# Altium PCB host_board.PcbDoc (part 7 of 7)
Units mm, origin at the board's own origin, x right, y up, seen from the top; angles counter-clockwise.
Board outline 87.1 x 62.94 mm, 4 copper layers (Top Layer, GND, Power, Bottom Layer), stack 1.59 mm thick; 217 components, 247 nets, 1076 pads, 563 vias.
Unrouted connection lines stored in the file: 56.
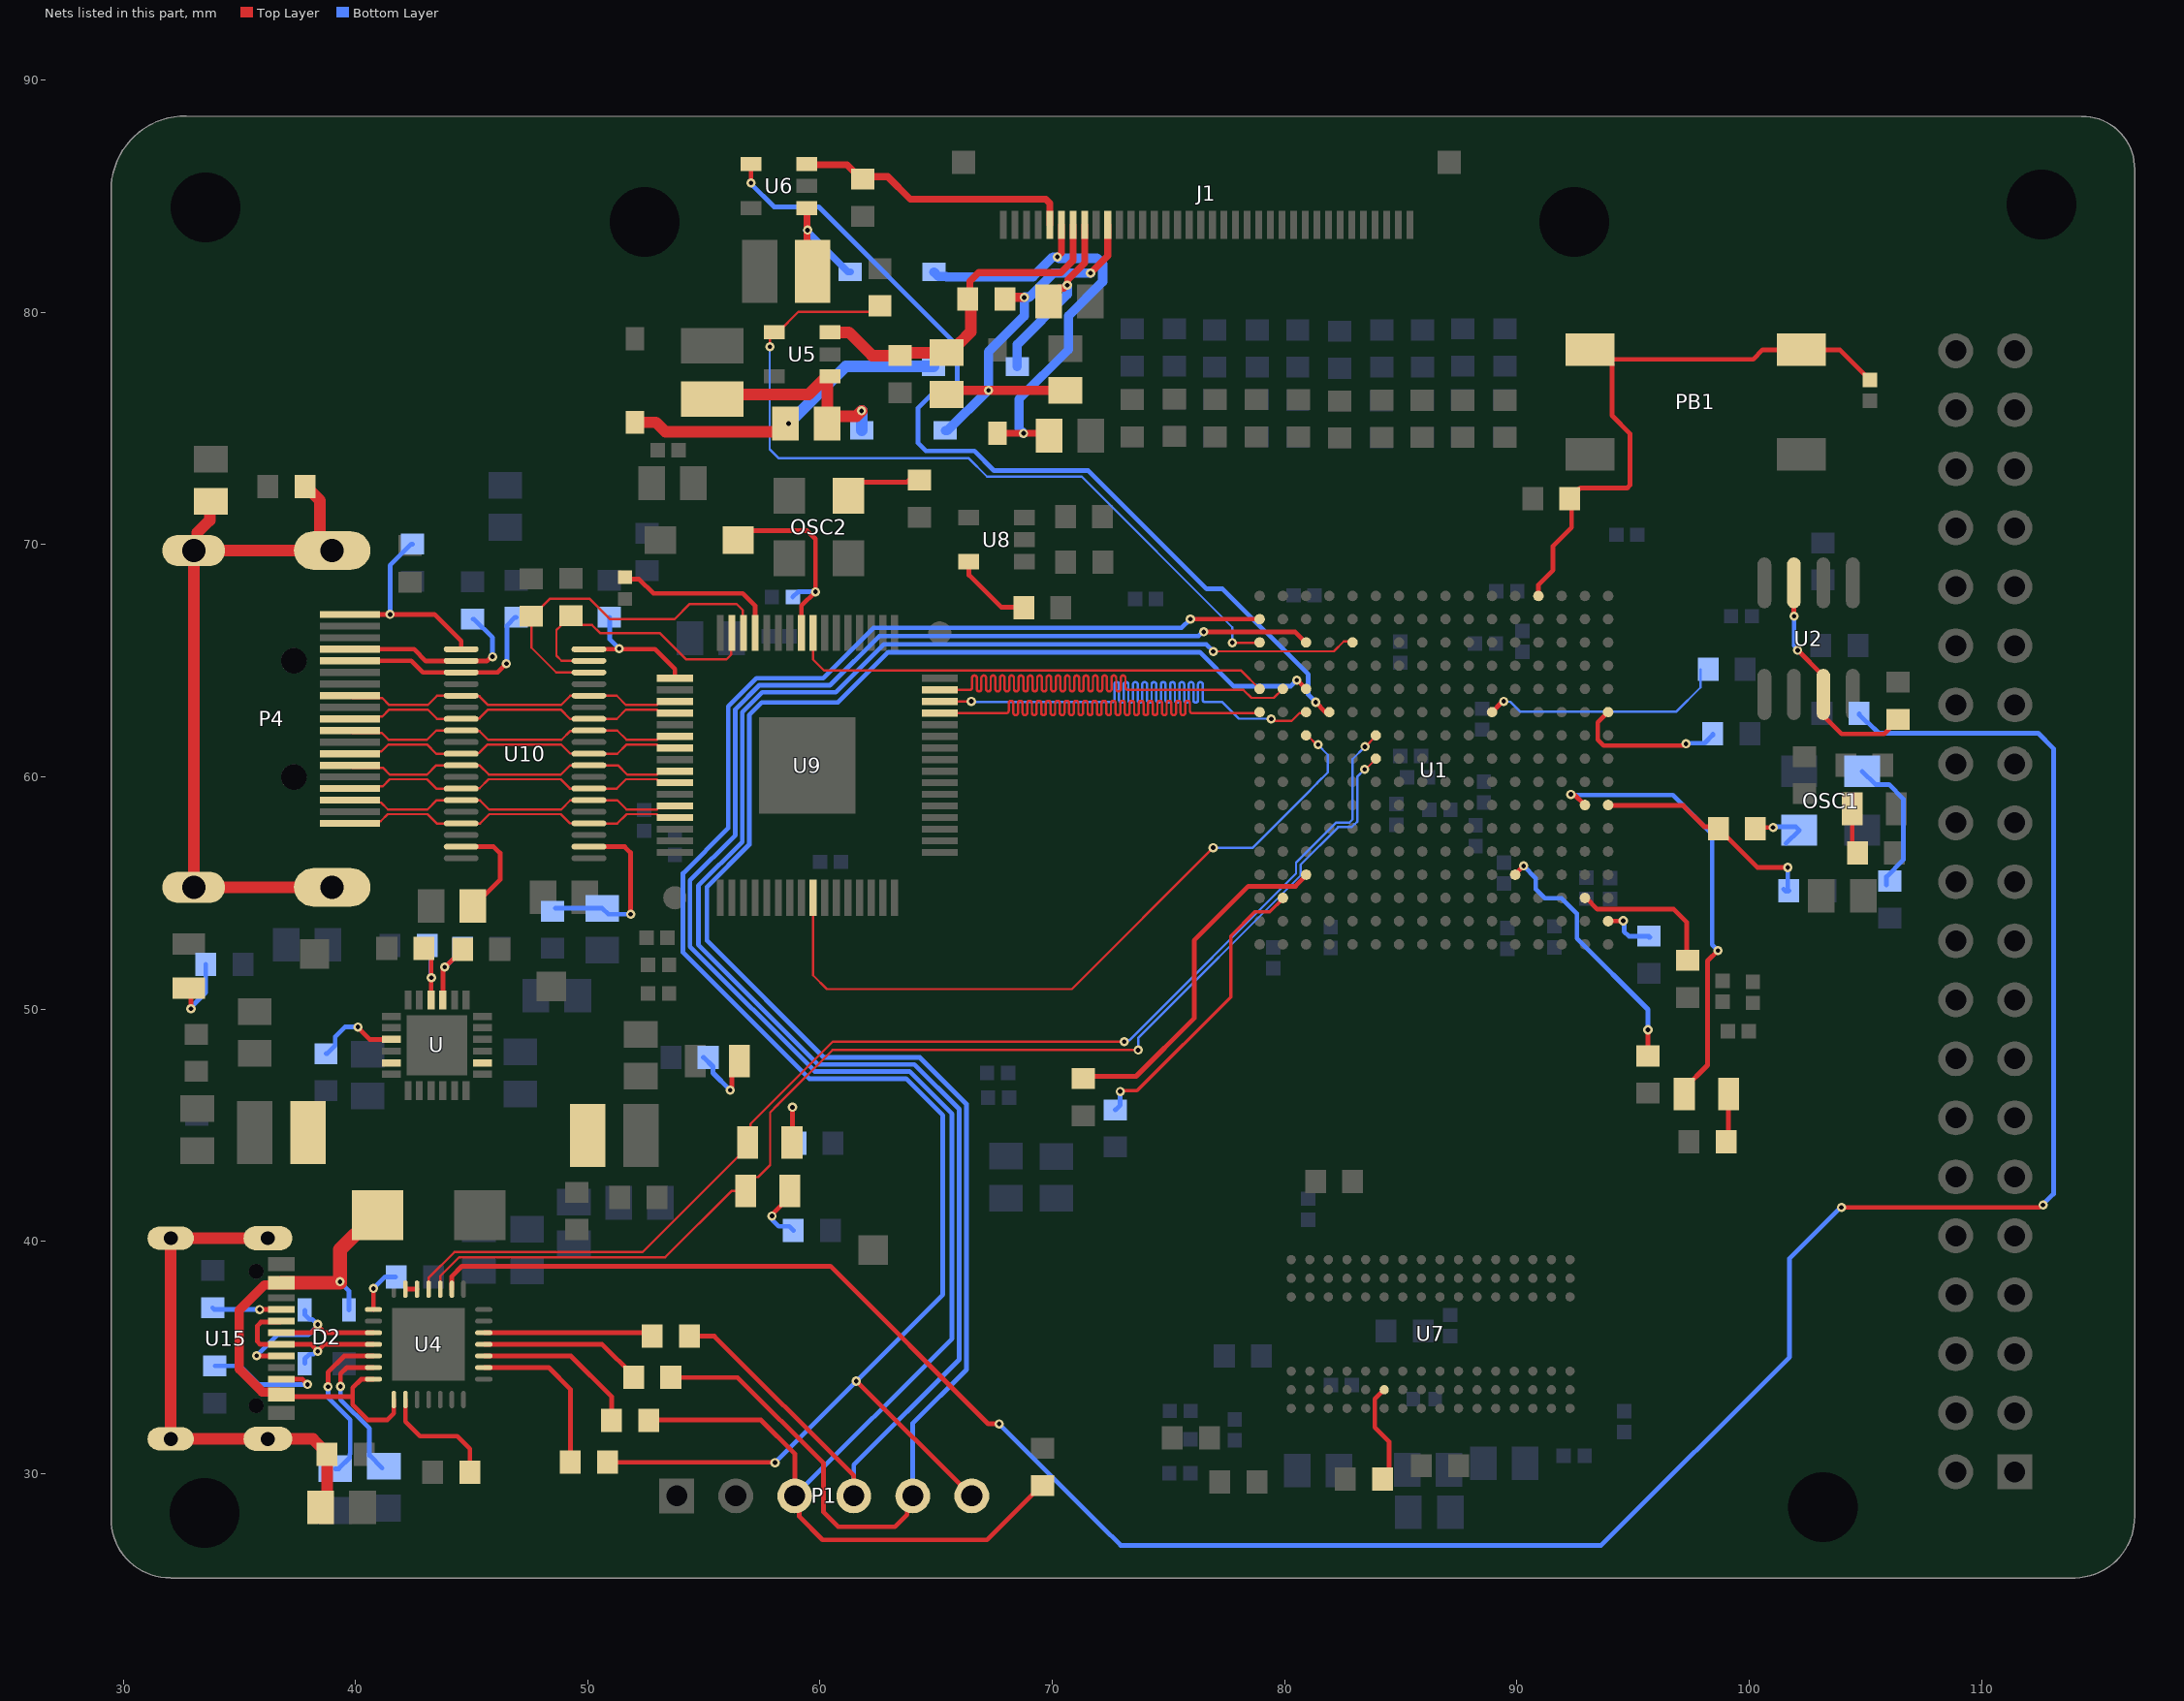
[diagram p9: the nets of this part, all layers, seen from the top]

## Via types
v1: diameter 0.4, hole 0.2, Top Layer to Bottom Layer, tented both sides, 485 vias
v2: diameter 0.4, hole 0.2, Top Layer to Bottom Layer, tented top, 61 vias
v3: diameter 0.5, hole 0.2, Top Layer to Bottom Layer, 9 vias
v4: diameter 0.4, hole 0.2, Top Layer to Bottom Layer, 8 vias

## Nets (pads, with @x,y where several pads share a name; then routed paths per layer and width w, separated by ;. In a path a pad name is that pad's centre, name@x,y a point inside that pad or via, vN(x,y) a via of type N, cw(c..) or ccw(c..) an arc to the next point about the centre after c; other vN are vias at no path point) (continued)
HDMI_DE: U1.A11 U9.45 | length 35
  Top Layer w0.1: U9.45@65.15,62.75 67.968,62.75 68.018,62.75 ccw(c68.018,62.85) 68.118,62.85 68.118,63.183 cw(c68.218,63.183) 68.318,63.183 68.318,62.761 ccw(c68.418,62.761) 68.518,62.761 68.518,63.183 cw(c68.618,63.183) 68.718,63.183 68.718,62.761 ccw(c68.818,62.761) 68.918,62.761 68.918,63.183 cw(c69.018,63.183) 69.118,63.183 69.118,62.761 ccw(c69.218,62.761) 69.318,62.761 69.318,63.183 cw(c69.418,63.183) 69.518,63.183 69.518,62.761 ccw(c69.618,62.761) 69.718,62.761 69.718,63.183 cw(c69.818,63.183) 69.918,63.183 69.918,62.761 ccw(c70.018,62.761) 70.118,62.761 70.118,63.183 cw(c70.218,63.183) 70.318,63.183 70.318,62.761 ccw(c70.418,62.761) 70.518,62.761 70.518,63.183 cw(c70.618,63.183) 70.718,63.183 70.718,62.761 ccw(c70.818,62.761) 70.918,62.761 70.918,63.183 cw(c71.018,63.183) 71.118,63.183 71.118,62.761 ccw(c71.218,62.761) 71.318,62.761 71.318,63.183 cw(c71.418,63.183) 71.518,63.183 71.518,62.761 ccw(c71.618,62.761) 71.718,62.761 71.718,63.183 cw(c71.818,63.183) 71.918,63.183 71.918,62.761 ccw(c72.018,62.761) 72.118,62.761 72.118,63.183 cw(c72.218,63.183) 72.318,63.183 72.318,62.761 ccw(c72.418,62.761) 72.518,62.761 72.518,63.183 cw(c72.618,63.183) 72.718,63.183 72.718,62.761 ccw(c72.818,62.761) 72.918,62.761 72.918,63.183 cw(c73.018,63.183) 73.118,63.183 73.118,62.761 ccw(c73.218,62.761) 73.318,62.761 73.318,63.183 cw(c73.418,63.183) 73.518,63.183 73.518,62.761 ccw(c73.618,62.761) 73.718,62.761 73.718,63.183 cw(c73.818,63.183) 73.918,63.183 73.918,62.761 ccw(c74.018,62.761) 74.118,62.761 74.118,63.183 cw(c74.218,63.183) 74.318,63.183 74.318,62.761 ccw(c74.418,62.761) 74.518,62.761 74.518,63.183 cw(c74.618,63.183) 74.718,63.183 74.718,62.761 ccw(c74.818,62.761) 74.918,62.761 74.918,63.183 cw(c75.018,63.183) 75.118,63.183 75.118,62.761 ccw(c75.218,62.761) 75.318,62.761 75.318,63.183 cw(c75.418,63.183) 75.518,63.183 75.518,62.761 ccw(c75.618,62.761) 75.718,62.761 75.718,63.183 cw(c75.818,63.183) 75.918,63.183 75.918,62.85 ccw(c76.018,62.85) 76.018,62.75 76.41,62.75 78.877,62.75 U1.A11@78.92,62.793
HDMI_HPD: P4.19 R59.2 U10.20 | length 9.1
  Top Layer w0.2: P4.19@39.76,67 43.4,67 44.55,65.85 U10.20@44.55,65.5
  Bottom Layer w0.2: v1(41.49,67) 41.49,69.115 42.4,70.025 R59.2@42.45,70.025
HDMI_HPD_LV: R53.1 U9.1 U10.19 | length 6
  Top Layer w0.2: U10.19@50.05,65.5 51.35,65.5 52.9,65.5 53.75,64.65 U9.1@53.75,64.25
  Bottom Layer w0.2: R53.1@50.925,66.875 50.95,66.85 50.95,65.925 v1(51.35,65.525)
HDMI_HS: U1.C11 U9.46 | length 32.2
  Top Layer w0.1: U9.46@65.15,63.25 v1@66.52,63.25 ; v1(79.418,62.5) 79.499,62.5 79.581,62.418 80.299,62.418 80.632,62.751 80.878,62.751 U1.C11@80.92,62.793
  Bottom Layer w0.1: v1(66.51,63.255) 66.542,63.222 72.52,63.222 72.57,63.222 ccw(c72.57,63.322) 72.67,63.322 72.67,63.985 cw(c72.77,63.985) 72.87,63.985 72.87,63.304 ccw(c72.97,63.304) 73.07,63.304 73.07,63.985 cw(c73.17,63.985) 73.27,63.985 73.27,63.304 ccw(c73.37,63.304) 73.47,63.304 73.47,63.985 cw(c73.57,63.985) 73.67,63.985 73.67,63.304 ccw(c73.77,63.304) 73.87,63.304 73.87,63.985 cw(c73.97,63.985) 74.07,63.985 74.07,63.304 ccw(c74.17,63.304) 74.27,63.304 74.27,63.985 cw(c74.37,63.985) 74.47,63.985 74.47,63.304 ccw(c74.57,63.304) 74.67,63.304 74.67,63.985 cw(c74.77,63.985) 74.87,63.985 74.87,63.304 ccw(c74.97,63.304) 75.07,63.304 75.07,63.985 cw(c75.17,63.985) 75.27,63.985 75.27,63.304 ccw(c75.37,63.304) 75.47,63.304 75.47,63.985 cw(c75.57,63.985) 75.67,63.985 75.67,63.304 ccw(c75.77,63.304) 75.87,63.304 75.87,63.985 cw(c75.97,63.985) 76.07,63.985 76.07,63.304 ccw(c76.17,63.304) 76.27,63.304 76.27,63.985 cw(c76.37,63.985) 76.47,63.985 76.47,63.322 ccw(c76.57,63.322) 76.57,63.222 76.728,63.222 77.316,63.222 78.028,62.51 79.408,62.51 v1(79.418,62.5)
HDMI_LCC: U1.C10 U9.25 | length 31.6
  Top Layer w0.1: U9.25@59.7,54.783 59.7,51.465 60.295,50.87 70.836,50.87 v1(76.921,56.955) ; U1.C10@80.92,61.793 80.978,61.793 81.381,61.39 v1(81.44,61.39)
  Bottom Layer w0.1: v1(76.921,56.955) 78.627,56.955 80.844,59.171 80.844,59.179 81.395,59.73 81.39,59.73 81.855,60.195 81.855,60.955 81.44,61.37 v1(81.44,61.39)
HDMI_RST_N: U1.A12 U9.56 | length 20.9
  Top Layer w0.1: U9.56@59.7,66.2 59.7,65.06 60.18,64.58 78.127,64.58 78.914,63.793 U1.A12@78.92,63.793
HDMI_SCL: P4.15 R54.1 U10.22 | length 9.3
  Top Layer w0.2: P4.15@39.76,65 42.4,65 42.9,64.5 U10.22@44.55,64.5 46.125,64.5 v1(46.5,64.875)
  Bottom Layer w0.2: v1(46.5,64.875) 46.525,64.9 46.525,66.525 46.875,66.875 R54.1@46.925,66.875
HDMI_SCL_LV: R51.1 U9.62 U10.17 | length 15.4
  Top Layer w0.1: U10.17@50.05,64.5 48.64,64.5 47.575,65.565 R51.1@47.575,66.925 47.625,66.925 48.38,67.68 50.07,67.68 50.96,66.79 53.73,66.79 54.39,67.45 56.4,67.45 56.68,67.17 56.68,66.22 U9.62@56.7,66.2
HDMI_SDA: P4.16 R56.1 U10.21 | length 8.4
  Top Layer w0.2: P4.16@39.76,65.5 42.525,65.5 43.035,64.99 45.661,64.99 45.846,65.175 v1(45.9,65.175)
  Bottom Layer w0.2: R56.1@45.05,66.8 45.1,66.8 45.9,66 v1(45.9,65.175)
HDMI_SDA_LV: R50.1 U9.63 U10.18 | length 12.2
  Top Layer w0.1: U10.18@50.05,65 48.87,65 48.65,65.22 48.65,66.325 48.825,66.5 48.825,66.55 49.225,66.95 R50.1@49.275,66.95 49.675,66.55 50.18,66.55 50.53,66.2 53.1,66.2 54.24,65.06 55.96,65.06 56.17,65.27 56.17,66.17 U9.63@56.2,66.2
HDMI_VS: U1.B12 U9.47 | length 35.3
  Top Layer w0.1: U9.47@65.15,63.75 66.395,63.75 66.445,63.75 ccw(c66.445,63.85) 66.545,63.85 66.545,64.27 cw(c66.645,64.27) 66.745,64.27 66.745,63.786 ccw(c66.845,63.786) 66.945,63.786 66.945,64.27 cw(c67.045,64.27) 67.145,64.27 67.145,63.786 ccw(c67.245,63.786) 67.345,63.786 67.345,64.27 cw(c67.445,64.27) 67.545,64.27 67.545,63.786 ccw(c67.645,63.786) 67.745,63.786 67.745,64.27 cw(c67.845,64.27) 67.945,64.27 67.945,63.786 ccw(c68.045,63.786) 68.145,63.786 68.145,64.27 cw(c68.245,64.27) 68.345,64.27 68.345,63.786 ccw(c68.445,63.786) 68.545,63.786 68.545,64.27 cw(c68.645,64.27) 68.745,64.27 68.745,63.786 ccw(c68.845,63.786) 68.945,63.786 68.945,64.27 cw(c69.045,64.27) 69.145,64.27 69.145,63.786 ccw(c69.245,63.786) 69.345,63.786 69.345,64.27 cw(c69.445,64.27) 69.545,64.27 69.545,63.786 ccw(c69.645,63.786) 69.745,63.786 69.745,64.27 cw(c69.845,64.27) 69.945,64.27 69.945,63.786 ccw(c70.045,63.786) 70.145,63.786 70.145,64.27 cw(c70.245,64.27) 70.345,64.27 70.345,63.786 ccw(c70.445,63.786) 70.545,63.786 70.545,64.27 cw(c70.645,64.27) 70.745,64.27 70.745,63.786 ccw(c70.845,63.786) 70.945,63.786 70.945,64.27 cw(c71.045,64.27) 71.145,64.27 71.145,63.786 ccw(c71.245,63.786) 71.345,63.786 71.345,64.27 cw(c71.445,64.27) 71.545,64.27 71.545,63.786 ccw(c71.645,63.786) 71.745,63.786 71.745,64.27 cw(c71.845,64.27) 71.945,64.27 71.945,63.786 ccw(c72.045,63.786) 72.145,63.786 72.145,64.27 cw(c72.245,64.27) 72.345,64.27 72.345,63.786 ccw(c72.445,63.786) 72.545,63.786 72.545,64.27 cw(c72.645,64.27) 72.745,64.27 72.745,63.786 ccw(c72.845,63.786) 72.945,63.786 72.945,64.27 cw(c73.045,64.27) 73.145,64.27 73.145,63.85 ccw(c73.245,63.85) 73.245,63.75 73.37,63.75 73.42,63.75 78.22,63.75 78.565,63.405 79.532,63.405 U1.B12@79.92,63.793
LCD_BL_A: C29.2 D6.1 D7.1 J1.31 | length 20.4
  Top Layer w0.3: D7.1@67.635,74.793 69.76,74.793 C29.2@69.86,74.693 ; v1(70.21,82.387) 70.385,82.562 J1.31@70.385,83.768
  Bottom Layer w0.4: D6.1@64.902,81.743 65.102,81.543 65.424,81.543 65.437,81.53 69.16,81.53 70.017,82.387 v1(70.21,82.387) 70.267,82.33 71.93,82.33 72.164,82.096 72.164,81.321 70.691,79.847 70.691,78.397 68.561,76.267 68.561,74.991 v1(68.76,74.793)
LCD_BL_FB: J1.32 R27.2 U6.3 | length 12.1
  Top Layer w0.3: U6.3@59.435,86.393 59.47,86.358 61.162,86.358 61.677,85.842 62.911,85.842 63.877,84.875 69.709,84.875 69.885,84.7 J1.32@69.885,83.768
LCD_BOOST_FB: C36.1 J1.30 R14.1 R28.2 U5.3 | length 15.5
  Top Layer w0.3: R28.2@63.446,78.143 R28.2@63.571,78.268 ; C36.1@65.591,78.268 C36.1@66.016,78.693 ; R14.1@66.48,80.448 R14.1@66.36,80.568 66.442,80.65 66.442,81.342 66.818,81.718 70.369,81.718 70.885,82.234 J1.30@70.885,83.768
  Top Layer w0.5: U5.3@60.435,79.143 61.235,79.143 62.235,78.143 R28.2@63.446,78.143 ; R28.2@63.571,78.268 C36.1@65.591,78.268 ; C36.1@66.016,78.693 66.48,79.157 R14.1@66.48,80.448
LCD_MVDRV: C32.2 D3.2 J1.29 | length 8.5
  Top Layer w0.3: C32.2@69.835,80.468 69.835,80.618 70.26,81.043 70.483,81.043 70.614,81.174 v1(70.641,81.174) 70.66,81.193 70.66,81.4 71.385,82.125 J1.29@71.385,83.768
  Bottom Layer w0.4: D3.2@68.485,77.668 68.485,78.618 70.641,80.774 v1(70.641,81.174)
LCD_PVDRV: C35.2 C36.2 D5.1 J1.27 R14.2 | length 18.9
  Top Layer w0.2: R14.2@67.96,80.568 R14.2@68.035,80.643
  Top Layer w0.3: v1(71.64,81.69) 72.385,82.435 J1.27@72.385,83.768
  Top Layer w0.4: C36.2@65.441,76.468 65.616,76.643 C35.2@70.56,76.643 ; R14.2@68.035,80.643 v1(68.785,80.643)
  Bottom Layer w0.4: D5.1@65.385,74.918 65.485,74.918 67.21,76.643 v1(67.248,76.643) 67.248,78.307 68.785,79.845 v1(68.785,80.643) 68.804,80.662 69.006,80.662 70.035,81.69 v1(71.64,81.69)
LCD_PWREN: R29.2 U1.A14 U5.4 | length 35.1
  Top Layer w0.1: v1(57.84,78.518) 57.84,78.948 U5.4@58.035,79.143 58.185,79.143 59.072,80.03 62.32,80.03 R29.2@62.576,80.286 ; v1@77.76,65.78 78.907,65.78 U1.A14@78.92,65.793
  Bottom Layer w0.1: v1@57.94,78.518 57.83,78.408 57.83,74.11 58.21,73.73 66.39,73.73 67.19,72.93 71.259,72.93 77.744,66.445 v1(77.744,65.78)
LDO1_FB: R18.2 R19.1 U.21 | length 3.7
  Top Layer w0.2: U.21@43.764,50.406 43.764,51.729 44.21,52.175 44.26,52.175 44.61,52.525 R18.2@44.61,52.575
  Bottom Layer w0.2: v1@43.85,51.82 43.854,51.82 44.615,52.581 R19.1@44.615,52.631
  other v1: 43.84,51.82
LDO2_FB: R20.2 R21.1 U.22 | length 3.8
  Top Layer w0.2: R20.2@42.86,52.615 43.256,52.219 U.22@43.256,50.406
  Bottom Layer w0.2: R21.1@42.897,52.66 43.24,52.317 v1@43.24,51.38
  other v1: 43.27,51.36
NetC14_2: C14.2 U4.5 | length 7.2
  Top Layer w0.2: v1(38.82,33.75) 38.82,34.38 39.515,35.075 U4.5@40.775,35.075
  Bottom Layer w0.2: v1(38.82,33.75) 38.82,33.29 39.775,32.335 39.775,30.865 39.755,30.845 39.755,30.695 39.28,30.22 C14.2@39.13,30.22
NetC15_2: C15.2 U4.6 | length 6.3
  Top Layer w0.2: v1@39.36,33.75 v1(39.36,33.76) 39.36,34.31 39.625,34.575 U4.6@40.775,34.575
  Bottom Layer w0.2: v1(39.36,33.76) 39.36,33.19 40.6,31.95 40.6,30.8 C15.2@41.15,30.25
NetC16_1: C16.1 P4.S1 P4.S2 P4.S3 P4.S4 R17.1 | length 32.3
  Top Layer w0.2: P4.S3@33.04,69.75 P4.S3@33.2,69.91 ; P4.S2@38.475,70.275 P4.S2@39,69.75
  Top Layer w0.5: P4.S3@33.2,69.91 33.2,70.525 33.725,71.05 C16.1@33.725,71.925 ; R17.1@37.7,72.675 38.475,71.9 P4.S2@38.475,70.275 ; P4.S1@39,55.25 P4.S4@33.04,55.25 P4.S3@33.04,69.75 P4.S2@39,69.75
NetC33_1: C33.1 D5.2 L3.2 U5.1 | length 9.7
  Top Layer w0.5: L3.2@55.36,76.273 55.555,76.468 59.51,76.468 U5.1@60.285,77.243 ; C33.1@60.305,75.218 60.305,75.323 60.512,75.53 61.555,75.53 v1(61.785,75.76) ; C33.1@60.305,75.53 60.305,77.113 U5.1@60.435,77.243
  Bottom Layer w0.5: D5.2@61.785,74.918 61.8,74.933 61.785,74.948 v1(61.785,75.76)
NetC33_2: C33.2 D3.1 D4.2 | length 14
  Top Layer w0.5: D4.2@52.035,75.268 52.935,75.268 53.335,74.868 58.155,74.868 C33.2@58.505,75.218
  Bottom Layer w0.5: v1(58.64,75.21) 61.098,77.668 D3.1@64.885,77.668
NetC37_1: C37.1 R83.1 U15.G1 U15.G2 U15.G3 U15.G4 | length 22.4
  Top Layer w0.2: C37.1@38.505,28.551 C37.1@38.775,28.821 ; R83.1@38.775,30.7 R83.1@38.775,30.85
  Top Layer w0.5: U15.G3@36.23,40.145 U15.G1@32.05,40.145 U15.G2@32.05,31.505 38.17,31.505 38.775,30.9 38.775,30.7 C37.1@38.775,28.821
NetC61_2: C61.2 L5.1 U9.57 | length 9
  Top Layer w0.2: L5.1@56.475,70.2 56.875,70.6 59.45,70.6 59.8,70.25 v1(59.8,67.974) 59.2,67.374 U9.57@59.2,66.2
  Bottom Layer w0.2: C61.2@58.825,67.75 59.049,67.974 v1(59.8,67.974)
NetC62_2: C62.2 U10.37 | length 4.9
  Top Layer w0.2: U10.37@44.55,57 45.95,57 46.225,56.725 46.225,55.57 44.955,54.3 C62.2@44.955,54.15
NetC64_2: C64.2 R58.1 U10.2 | length 7.9
  Top Layer w0.2: U10.2@50.05,57 51.59,57 51.84,56.75 v1@51.84,54.09
  Bottom Layer w0.2: R58.1@48.6,54.35 C64.2@50.625,54.35 50.885,54.09 v1(51.847,54.09)
NetC80_1: C80.1 PB1.1 PB1.2 R76.1 U1.N16 | length 26.4
  Top Layer w0.2: U1.N16@90.92,67.793 90.92,68.27 91.55,68.9 91.55,69.946 92.345,70.741 92.345,71.915 R76.1@92.27,71.99 92.27,72.04 92.62,72.39 92.67,72.39 92.72,72.44 94.743,72.44 94.86,72.557 94.86,74.789 94.09,75.559 94.09,77.79 93.49,78.39 PB1.2@93.14,78.39 ; PB1.2@93.932,77.98 100.162,77.98 100.571,78.39 PB1.1@102.24,78.39 103.89,78.39 C80.1@105.19,77.09
NetD1_2: D1.2 D2.4 U4.7 U4.8 U15.A4/B9 U15.B4/A9 | length 22
  Top Layer w0.2: U15.A4/B9@36.755,38.175 U15.A4/B9@36.805,38.225 ; U15.B4/A9@36.805,33.425 36.905,33.325 39.8,33.325 39.875,33.4 ; U4.7@40.775,34.075 40.245,34.075 39.875,33.705 39.875,33.4 ; U4.8@41.65,33.2 41.65,32.6 41.375,32.325 40.525,32.325 39.875,32.975 39.875,33.325 39.875,33.4
  Top Layer w0.4: U15.A4/B9@36.755,38.175 36.705,38.125 36.075,38.125 35,37.05 35,34.51 35.985,33.525 36.705,33.525 U15.B4/A9@36.805,33.425 ; v1@39.34,38.225 v1(39.34,38.27)
  Top Layer w0.6: U15.A4/B9@36.805,38.225 v1@39.34,38.225 ; v1(39.34,38.27) 39.34,39.649 D1.2@40.681,40.99
  Bottom Layer w0.2: v1@39.34,38.26 39.72,37.88 D2.4@39.72,37.05
NetD6_2: D6.2 L4.2 U6.1 | length 5.5
  Top Layer w0.3: U6.1@59.435,84.493 59.435,82.017 L4.2@59.684,81.768
  Bottom Layer w0.3: v1@59.447,83.543 59.429,83.525 59.429,83.516 61.202,81.743 D6.2@61.302,81.743
  other v1: 59.46,83.543
NetL1_1: L1.1 U.5
NetL2_1: L2.1 U.14
NetLD1_1: LD1.1 R42.2 | length 2
  Top Layer w0.2: LD1.1@104.424,58.63 104.424,56.946 R42.2@104.649,56.721
NetLD2_1: LD2.1 R75.2 | length 2.1
  Top Layer w0.2: R75.2@99.024,44.274 R75.2@98.999,44.299 99.099,44.399 LD2.1@99.099,46.344
NetLD4_1: LD4.1 R77.2 | length 3.1
  Top Layer w0.2: LD4.1@32.83,50.91 32.92,50.82 v1(32.92,50.025)
  Bottom Layer w0.2: v1(32.92,50.025) 32.92,50.079 33.56,50.719 R77.2@33.56,51.94
NetLD5_1: LD5.1 R78.2 | length 3.3
  Top Layer w0.2: v1(56.13,46.52) 56.13,46.574 56.2,46.644 56.2,47.443 LD5.1@56.52,47.763
  Bottom Layer w0.2: R78.2@54.97,47.93 54.99,47.93 55.39,47.53 55.39,47.26 v1(56.13,46.52)
NetLD8_1: LD8.1 R81.2 | length 3.1
  Top Layer w0.2: LD8.1@58.79,44.273 58.81,44.293 v1(58.81,45.78)
  Bottom Layer w0.2: v1(58.81,45.78) 58.81,44.385 R81.2@58.96,44.235
NetLD9_1: LD9.1 R82.2 | length 2.7
  Top Layer w0.2: v1(57.93,41.1) 57.93,41.163 58.69,41.923 LD9.1@58.69,42.173
  Bottom Layer w0.2: v1(57.93,41.1) 57.93,40.944 58.217,40.657 58.673,40.657 R82.2@58.85,40.48
NetOSC1_1: OSC1.1 R35.1 | length 6.3
  Bottom Layer w0.2: OSC1.1@104.849,60.25 105.424,59.675 106.004,59.675 106.624,59.055 106.624,56.43 105.899,55.705 R35.1@105.899,55.355
NetOSC2_1: OSC2.1 R74.1 | length 3.1
  Top Layer w0.2: OSC2.1@61.22,72.11 61.795,72.685 63.725,72.685 R74.1@63.99,72.95
NetR13_1: R13.1 U1.M4 | length 11.4
  Top Layer w0.2: U1.M4@89.905,55.82 89.93,55.82 v1(90.28,56.17) ; v1(95.633,49.115) 95.633,48.041 95.61,48.018 R13.1@95.639,47.99
  Bottom Layer w0.2: v1(90.28,56.17) 90.805,55.645 90.805,55.17 91.192,54.783 91.917,54.783 92.58,54.12 92.58,53.045 95.633,49.992 v1(95.633,49.115) v1@95.633,49.07
NetR15_2: R15.2 U4.9 | length 5.2
  Top Layer w0.2: U4.9@42.15,33.2 42.15,32.25 42.775,31.625 44.375,31.625 44.925,31.075 R15.2@44.925,30.075
NetR16_1: R16.1 U4.1 | length 2.1
  Top Layer w0.2: U4.1@40.775,37.075 v1@40.775,37.978
  Bottom Layer w0.2: v1(40.777,37.978) 41.279,38.48 R16.1@41.72,38.48
NetR24_1: R24.1 U.3 | length 3.7
  Top Layer w0.2: v1@40.11,49.227 40.11,49.21 40.616,48.704 U.3@41.554,48.704
  Bottom Layer w0.2: R24.1@38.73,48.09 38.78,48.09 39.13,48.44 39.13,48.82 39.547,49.237 v1(40.11,49.237)
NetR31_2: R31.2 U7.L8 | length 3.8
  Top Layer w0.2: U7.L8@84.28,33.62 83.88,33.22 83.88,31.995 84.498,31.377 R31.2@84.498,30.27
NetR32_1: R32.1 R33.2 U1.T7 | length 10.6
  Top Layer w0.2: U1.T7@93.92,58.793 93.94,58.773 97.152,58.773 98.068,57.857 98.586,57.857 R32.1@98.933,57.51 ; R32.1@98.444,57.51 R32.1@98.933,57.51 ; v1(101.65,56.107) 100.337,56.107 R32.1@98.933,57.51
  Bottom Layer w0.2: R33.2@101.474,55.18 R33.2@101.574,55.08 ; v1@101.65,56.12 101.65,55.096 101.67,55.076 R33.2@101.699,55.105
NetR34_2: R34.2 U1.T2 | length 2.4
  Top Layer w0.2: U1.T2@93.92,53.793 93.929,53.801 94.561,53.801 v1(94.57,53.81)
  Bottom Layer w0.2: v1@94.58,53.845 94.605,53.82 94.605,53.345 94.805,53.145 R34.2@95.68,53.145 ; R34.2@95.674,53.105 R34.2@95.724,53.105
NetR36_2: R36.2 U1.L11 | length 10.6
  Top Layer w0.2: U1.L11@88.899,62.78 89.374,63.255 v1@89.399,63.255
  Bottom Layer w0.1: v1(89.424,63.255) 89.438,63.241 89.704,63.241 90.14,62.805 96.849,62.805 97.899,63.855 R36.2@97.899,64.63
NetR43_1: R43.1 U2.3 U2.7 | length 10.2
  Top Layer w0.2: U2.7@101.914,68.355 101.919,68.35 101.919,66.925 v1(101.924,66.92) ; v1@102.059,65.48 103.184,64.355 U2.3@103.184,63.555 103.184,62.645 103.974,61.855 105.795,61.855 R43.1@106.48,62.54
  Bottom Layer w0.2: v1(101.924,66.92) 101.924,65.659 102.074,65.509 v1(102.074,65.455)
NetR45_1: R45.1 U1.T11 | length 6.7
  Top Layer w0.2: U1.T11@93.899,62.78 93.474,62.355 93.474,61.604 93.723,61.355 v1@97.341,61.355
  Bottom Layer w0.2: v1(97.274,61.43) 97.299,61.455 98.074,61.455 98.424,61.805 R45.1@98.424,61.855
NetR46_1: R46.1 U1.R3 | length 6.6
  Top Layer w0.2: U1.R3@92.92,54.793 92.966,54.793 93.454,54.305 96.749,54.305 97.299,53.755 R46.1@97.299,51.955
NetR49_1: R49.1 U1.C4 | length 15.2
  Top Layer w0.2: R49.1@71.32,47.02 71.414,47.114 73.602,47.114 76.104,49.616 76.104,52.962 78.437,55.295 79.735,55.295 79.83,55.295 80.461,55.295 80.92,55.754 U1.C4@80.92,55.793
NetR57_2: R57.2 U8.5 | length 3.5
  Top Layer w0.2: U8.5@66.4,69.269 66.41,69.259 66.41,68.69 67.79,67.31 68.744,67.31 R57.2@68.764,67.29
NetR64_1: R64.1 U9.61 | length 7.3
  Top Layer w0.2: R64.1@51.6,68.595 51.68,68.515 52.21,68.515 52.825,67.9 56.674,67.9 57.2,67.374 U9.61@57.2,66.2
NetR65_1: R65.1 U15.A5 | length 3
  Top Layer w0.2: v1(35.88,37.075) U15.A5@36.805,37.075
  Bottom Layer w0.2: R65.1@33.85,37.15 33.925,37.075 v1(35.88,37.075)
NetR66_1: R66.1 U1.B3 | length 12.9
  Top Layer w0.15: v1(72.918,46.464) 72.947,46.492 73.64,46.492 77.676,50.528 77.676,53.157 78.712,54.193 79.347,54.193 79.92,54.766 U1.B3@79.92,54.793
  Bottom Layer w0.2: R66.1@72.71,45.67 72.92,45.88 72.918,45.882 v1(72.918,46.464)
NetR84_1: R84.1 U4.19 | length 7.3
  Top Layer w0.2: U4.19@45.55,36.075 52.625,36.075 R84.1@52.775,35.925
NetR85_1: R85.1 U4.18 | length 7.1
  Top Layer w0.2: U4.18@45.55,35.575 50.625,35.575 51.975,34.225 R85.1@51.975,34.15
NetR86_1: R86.1 U4.17 | length 7.2
  Top Layer w0.2: U4.17@45.55,35.075 49.275,35.075 51.025,33.325 R86.1@51.025,32.3
NetR87_1: R87.1 U4.16 | length 7.2
  Top Layer w0.2: U4.16@45.55,34.575 48.325,34.575 49.25,33.65 R87.1@49.25,30.5
NetR90_1: R90.1 U15.B5 | length 5.5
  Top Layer w0.2: U15.B5@36.805,34.075 37.715,34.075 v1(37.94,33.85)
  Bottom Layer w0.2: R90.1@33.95,34.65 35.03,34.65 35.83,33.85 v1(37.94,33.85)
NetU1_D11: U1.D11 U6.4 | length 41
  Top Layer w0.2: v4(57.03,85.57) 57.03,86.388 U6.4@57.035,86.393 ; v1(81.331,63.22) 81.758,62.793 U1.D11@81.92,62.793 U1.D11@81.932,62.793
  Bottom Layer w0.2: v4@57.02,85.54 58.02,84.54 59.95,84.54 65.9,78.59 65.9,76.8 65.783,76.683 65.01,76.683 64.22,75.893 64.22,74.37 64.55,74.04 66.64,74.04 67.49,73.19 71.55,73.19 76.64,68.1 77.33,68.1 81.01,64.42 81.01,63.541 v1(81.331,63.22)
NetU4_26: U4.26 U4.27 | length 0.5
  Top Layer w0.2: U4.27@42.15,37.95 U4.26@42.65,37.95
RST_CPU: R39.2 U4.23 | length 111.6
  Top Layer w0.2: U4.23@44.15,37.95 44.15,38.508 44.582,38.94 60.45,38.94 67.24,32.15 v1(67.71,32.15) ; v1(103.96,41.474) 112.484,41.474 112.586,41.576 v4(112.64,41.576)
  Bottom Layer w0.2: v1(67.71,32.15) 72.12,27.74 72.94,26.92 93.62,26.92 101.73,35.03 101.73,39.275 v1@103.95,41.495 ; R39.2@104.724,62.73 104.724,62.68 105.074,62.33 105.124,62.33 105.564,61.89 112.428,61.89 113.09,61.228 113.09,42.046 v4@112.63,41.586
SYS_CLK: OSC1.3 R32.2 | length 2.8
  Top Layer w0.2: R32.2@100.263,57.78 100.313,57.83 v1(101.02,57.83)
  Bottom Layer w0.2: v1@100.999,57.855 102.004,57.855 OSC1.3@102.149,57.71 OSC1.3@101.574,57.135
TCK: P1.3 R37.1 R86.2 U1.C14 | length 92.3
  Top Layer w0.2: R86.2@52.625,32.3 52.645,32.32 57.455,32.32 58.91,30.865 P1.3@58.91,29.05 59.105,28.855 59.105,28.16 60.105,27.16 67.185,27.16 69.525,29.5 R37.1@69.575,29.5 ; v1@76.502,66.25 80.44,66.25 80.897,65.793 U1.C14@80.92,65.793
  Bottom Layer w0.2: P1.3@58.873,29.013 P1.3@58.91,29.05 65.68,35.82 65.68,45.488 63.841,47.327 59.773,47.327 54.4,52.7 54.4,55.55 56.35,57.5 56.35,62.919 57.381,63.95 60.43,63.95 62.55,66.07 76.292,66.07 76.472,66.25 v1(76.509,66.25)
TDI: P1.5 R85.2 U1.C12 | length 83.5
  Top Layer w0.2: R85.2@53.575,34.15 56.45,34.15 60.15,30.45 60.15,28.35 60.775,27.725 63.215,27.725 63.741,28.251 63.741,28.801 P1.5@63.99,29.05 ; v1(80.52,64.17) 80.53,64.17 80.907,63.793 U1.C12@80.92,63.793
  Bottom Layer w0.2: P1.5@63.99,29.05 63.99,32.18 66.3,34.49 66.3,45.92 64.293,47.927 60.163,47.927 55.13,52.96 55.13,55.266 56.95,57.086 56.95,62.67 57.488,63.208 60.768,63.208 62.93,65.37 76.346,65.37 77.811,63.905 80.255,63.905 v1(80.52,64.17)
TDO: P1.4 R84.2 U1.E14 | length 81.7
  Top Layer w0.1: v1@76.921,65.405 76.926,65.41 82.116,65.41 82.544,65.838 82.875,65.838 U1.E14@82.92,65.793
  Top Layer w0.2: R84.2@54.375,35.925 55.45,35.925 61.45,29.925 P1.4@61.45,29.05
  Bottom Layer w0.2: P1.4@61.45,29.05 61.45,30.39 65.99,34.93 65.99,45.695 64.058,47.627 59.913,47.627 54.76,52.78 54.76,55.32 56.65,57.21 56.65,62.794 57.506,63.65 60.68,63.65 62.74,65.71 76.622,65.71 76.922,65.411 v1(76.922,65.402)
TMDS0_N: P4.9 U9.6 U10.12 U10.27 | length 14.9
  Top Layer w0.1: P4.9@39.76,62 39.86,61.9 41.13,61.9 41.43,61.6 43.075,61.6 43.475,62 U10.27@44.55,62 44.574,61.976 45.34,61.976 45.716,61.6 48.87,61.6 49.253,61.983 50.033,61.983 U10.12@50.05,62 51.27,62 51.67,61.6 52.587,61.6 52.975,61.6 53.125,61.75 U9.6@53.75,61.75
TMDS0_P: P4.7 U9.7 U10.10 U10.29 | length 14.9
  Top Layer w0.1: P4.7@39.76,61 39.86,61.1 41.12,61.1 41.42,61.4 43.075,61.4 43.475,61 U10.29@44.55,61 44.579,61.029 45.319,61.029 45.69,61.4 48.85,61.4 49.243,61.007 50.043,61.007 U10.10@50.05,61 51.27,61 51.67,61.4 52.67,61.4 52.975,61.4 53.125,61.25 U9.7@53.75,61.25
TMDS1_N: P4.6 U9.9 U10.9 U10.30 | length 14.9
  Top Layer w0.1: P4.6@39.76,60.5 39.86,60.4 41.18,60.4 41.48,60.1 43.075,60.1 43.475,60.5 U10.30@44.55,60.5 44.56,60.491 45.354,60.491 45.745,60.1 48.84,60.1 49.238,60.498 50.048,60.498 U10.9@50.05,60.5 51.295,60.5 51.695,60.1 52.975,60.1 53.125,60.25 U9.9@53.75,60.25
TMDS1_P: P4.4 U9.10 U10.7 U10.32 | length 14.9
  Top Layer w0.1: P4.4@39.76,59.5 39.86,59.6 41.18,59.6 41.48,59.9 43.075,59.9 43.475,59.5 U10.32@44.55,59.5 44.567,59.517 45.347,59.517 45.73,59.9 48.832,59.9 49.232,59.5 U10.7@50.05,59.5 51.245,59.5 51.645,59.9 52.975,59.9 53.125,59.75 U9.10@53.75,59.75
TMDS2_N: P4.3 U9.12 U10.6 U10.33 | length 14.9
  Top Layer w0.1: P4.3@39.76,59 39.86,58.9 41.1,58.9 41.4,58.6 42.16,58.6 43.1,58.6 43.5,59 U10.33@44.55,59 44.557,58.993 45.357,58.993 45.75,58.6 48.853,58.6 49.245,58.991 50.042,58.991 U10.6@50.05,59 51.27,59 51.67,58.6 52.587,58.6 52.975,58.6 53.125,58.75 U9.12@53.75,58.75
TMDS2_P: P4.1 U9.13 U10.4 U10.35 | length 14.9
  Top Layer w0.1: P4.1@39.76,58 39.86,58.1 41.09,58.1 41.39,58.4 42.078,58.4 43.1,58.4 43.5,58 U10.35@44.55,58 ; U10.35@44.55,58 45.363,58 45.763,58.4 48.841,58.4 49.239,58.003 50.047,58.003 U10.4@50.05,58 51.27,58 51.67,58.4 52.67,58.4 52.975,58.4 53.125,58.25 U9.13@53.75,58.25
TMDS_CLK_N: P4.12 U9.3 U10.15 U10.24 | length 14.9
  Top Layer w0.1: P4.12@39.76,63.5 39.86,63.4 41.15,63.4 41.45,63.1 42.168,63.1 43.115,63.1 43.515,63.5 U10.24@44.55,63.5 44.577,63.473 45.337,63.473 45.71,63.1 48.85,63.1 49.243,63.493 50.043,63.493 U10.15@50.05,63.5 51.245,63.5 51.645,63.1 52.575,63.1 52.975,63.1 53.125,63.25 U9.3@53.75,63.25
TMDS_CLK_P: P4.10 U9.4 U10.13 U10.26 | length 14.9
  Top Layer w0.1: P4.10@39.76,62.5 39.86,62.6 41.15,62.6 41.45,62.9 42.085,62.9 43.115,62.9 43.515,62.5 U10.26@44.55,62.5 44.577,62.527 45.337,62.527 45.71,62.9 48.84,62.9 49.238,62.502 50.048,62.502 U10.13@50.05,62.5 51.245,62.5 51.645,62.9 52.658,62.9 52.975,62.9 53.125,62.75 U9.4@53.75,62.75
TMS: P1.6 R87.2 U1.A15 | length 82.1
  Top Layer w0.2: R87.2@50.85,30.5 v1@58.05,30.5 ; v1@61.554,34.01 66.514,29.05 P1.6@66.53,29.05 ; v1@75.926,66.793 U1.A15@78.92,66.793
  Bottom Layer w0.2: v1@58.045,30.485 65.28,37.72 65.28,45.43 63.7,47.01 59.54,47.01 54.1,52.45 54.1,55.85 56.05,57.8 56.05,63.043 57.257,64.25 60.13,64.25 62.3,66.42 75.56,66.42 v1(75.94,66.8)
  other v1: 58.06,30.48 61.554,33.99
UART_RX: LD9.2 U1.F9 U4.24 | length 53.3
  Top Layer w0.1: U4.24@43.65,37.95 43.65,38.508 44.467,39.325 53.335,39.325 56.183,42.173 LD9.2@56.79,42.173 56.79,42.423 57.14,42.773 57.323,42.773 57.85,43.3 57.85,45.56 58.168,45.878 60.535,48.245 v1(73.69,48.245) ; v1@83.44,60.29 83.92,60.77 U1.F9@83.92,60.793
  Bottom Layer w0.1: v1(73.69,48.245) 73.69,48.764 80.688,55.762 80.688,56.23 82.297,57.84 82.873,57.84 83.003,57.97 83.02,57.97 83.12,58.07 83.12,60.01 v1(83.44,60.33)
UART_TX: LD8.2 U1.F10 U4.25 | length 53.3
  Top Layer w0.1: U4.25@43.15,37.95 43.15,38.437 44.263,39.55 52.363,39.55 52.438,39.625 56.486,43.673 56.54,43.673 56.89,44.023 LD8.2@56.89,44.273 57.006,44.389 57.006,45.064 60.545,48.603 v1(73.09,48.603) ; v1@83.464,61.305 83.92,61.761 U1.F10@83.92,61.793
  Bottom Layer w0.1: v1(73.09,48.603) 73.147,48.661 73.304,48.661 80.488,55.845 80.488,56.313 82.214,58.04 82.79,58.04 82.92,58.17 82.92,60.77 v1(83.455,61.305)
USB_N: D2.2 U4.4 U15.A7 U15.B7 | length 8
  Top Layer w0.2: U15.B7@36.805,36.575 36.76,36.53 35.93,36.53 35.78,36.38 35.78,35.692 35.897,35.575 38.1,35.575 38.312,35.363 38.312,35.298 38.335,35.275 v1@38.35,35.275 ; v1(38.375,35.275) v1@38.35,35.275 ; U4.4@40.775,35.575 38.65,35.575 v1@38.35,35.275
  Bottom Layer w0.2: D2.2@37.82,34.75 37.82,34.95 38.02,35.15 38.196,35.15 38.321,35.275 v1(38.375,35.275)
USB_P: D2.3 U4.3 U15.A6 U15.B6 | length 9.2
  Top Layer w0.2: v1@35.93,35.075 U15.B6@36.805,35.075 ; U15.A6@36.805,36.075 38.095,36.075 38.337,36.317 38.337,36.392 v1(38.375,36.43) ; v1@38.47,36.282 38.677,36.075 U4.3@40.5,36.075 ; U4.3@40.5,36.075 U4.3@40.775,36.075
  Bottom Layer w0.2: v1(35.75,35.09) 36.65,35.99 37.98,35.99 38.375,36.385 v1(38.375,36.43) 38.365,36.43 38.145,36.65 38.02,36.65 37.82,36.85 D2.3@37.82,37.05
USER_LED: LD2.2 U1.R7 | length 19.5
  Top Layer w0.2: v1(92.318,59.252) 92.356,59.214 92.499,59.214 92.893,58.82 U1.R7@92.905,58.82 ; LD2.2@97.174,46.319 LD2.2@97.199,46.344 97.199,46.594 98.199,47.594 98.199,52.08 v1(98.649,52.53)
  Bottom Layer w0.2: v1(92.318,59.252) 92.341,59.228 96.705,59.228 98.399,57.534 98.399,52.78 v1(98.649,52.53)
pads on no net: P4. P4.14 U1.A4 U1.B5 U1.B14 U1.D12 U1.E13 U1.H13 U1.J14 U1.J16 U1.K11 U1.K12 U1.K14 U1.K15 U1.K16 U1.L12 U1.L13 U1.L14 U1.L16 U1.M5 U1.M12 U1.M13 U1.M14 U1.M15 U1.M16 U1.N4 U1.N12 U1.P12 U1.P15 U4.10 U4.11 U4.12 U4.13 U4.14 U4.15 U4.20 U4.21 U4.22 U4.28 U7.J1 U7.J9 U7.L1 U7.L9 U7.M7 U9.48 U9.49 U9.50 U9.51 U9.55 U9.59 U9.64 U9.FTG1 U9.FTG2 U10.38 U15. U15.A8 U15.B8
copper on no net: | length 79.9
  Top Layer w0.1: 85.92,64.793 85.92,64.875
  Top Layer w0.254: 29.701,23.222 29.7,23.73 ; 31.224,23.986 29.7,23.476 ; 31.225,22.97 29.7,23.476 ; 65.868,23.532 29.7,23.476 ; 80.392,23.554 116.56,23.61 ; 115.035,24.116 116.56,23.61 ; 115.037,23.1 116.56,23.61 ; 116.56,23.864 116.56,23.356

## Polygon pours and split planes (outlines as drawn)
1V5 on Power "1V5_L03_P028" (solid, pour order 28): 85.358,57.455 85.38,57.433 88.501,57.433 89.055,56.877 89.101,56.923 90.011,56.923 90.011,56.893 91.442,55.462 91.452,55.472 92.673,55.472 92.673,55.394 93.76,54.307 93.76,50.53 95.17,49.12 95.17,30.38 73.832,30.38 72.87,31.342 72.87,34.477 68.577,38.77 55.26,38.77 55.26,41.797 70.012,41.797 78.471,50.256 78.471,51.754 78.64,51.88 79.213,52.265 80.168,52.265 81.58,53.766 82.044,54.428 82.33,54.428 82.96,54.428 84.802,56.27 84.99,56.27 85.34,56.62
1V8 on Power "1V8_L03_P025" (solid, pour order 25): 94.71,69.75 94.71,64.55 94.7,64.54 91.039,64.54 90.74,64.55 90.438,64.54 88.15,64.54 87.32,63.71 85.22,63.71 83.482,63.71 83.341,63.851 82.159,63.851 80.777,65.233 74.397,65.22 63.12,65.22 61.876,66.464 61.876,68.026 62.54,68.69 64.16,70.31 70.389,70.31 72.342,72.263 72.342,83.506 73.605,84.77 89.94,84.775 89.94,80.49 94.49,80.49 94.49,69.97
3V3 on Power "3V3_L03_P029" (solid, pour order 29): 59.42,68.47 59.696,68.47 61.95,68.47 61.95,68.59 63.98,70.62 63.98,74.533 60.52,77.993 60.52,84.3 58.53,86.29 57.609,86.29 54.904,86.29 54.904,81.623 49.248,81.623 49.248,77.929 49.248,68.218 49.995,68.205 50.629,68.218 51.471,69.681 52.91,71.12 56.77,71.12
1V8 on Power "1V8_L03_P009" (solid, pour order 9): 41.11,67.86 51.525,67.86 51.525,69.446 52.889,70.81 56.49,70.81 59.825,67.475 62.275,67.475 62.625,67.125 63.25,67.125 63.25,65.209 63.25,55.627 55.994,55.66 55.974,57.07 53.847,57.07 53.776,62.55 51.08,62.55 51.08,53.313 41.11,53.313
1V2 on Power "1V2_L03_P027" (solid, pour order 27): 88.79,59.1 88.78,59.11 88.78,60.6 88.57,60.81 88.024,60.81 87.689,61.145 87.689,61.557 85.317,61.557 84.627,60.867 83.86,60.867 83.86,59.27 82.761,58.171 82.761,57.169 82.523,56.931 80.413,56.931 79.731,55.742 79.29,55.63 72.17,48.51 59.88,48.51 59.88,46.63 59.97,46.54 74.27,46.54 78.35,50.62 78.35,51.88 79.141,52.283 80.119,52.389 81.538,53.808 82.01,54.55 82.86,54.55 85.241,56.931 85.241,58.599 88.309,58.599 88.51,58.8
3V3 on Power "3V3_L03_P026" (solid, pour order 26): 63.51,64.9 63.68,64.73 80.87,64.73 82.04,63.56 83.52,63.56 87.46,63.56 88.19,64.29 88.2,64.28 94.79,64.28 95.17,64.66 95.17,71.31 105.59,71.31 107.51,69.39 107.51,50.4 105.615,48.505 96.775,48.505 93.972,51.308 93.972,54.295 92.7,55.56 91.46,55.56 90.02,57 89.12,57 88.5,57.62 85.35,57.58 85.35,58.52 88.5,58.52 88.92,59 88.92,60.585 88.605,60.9 88.061,60.9 87.822,61.139 87.822,61.66 85.277,61.66 84.567,60.95 83.726,60.95 83.726,59.716 83.726,59.246 82.66,58.18 82.66,57.206 82.458,57 80.257,57 79.666,55.944 79.34,55.94 72.23,48.83 53.8,48.83 51.41,51.22 48.83,51.22 48.83,53.05 49,53.22 49.01,53.21 51.33,53.21 51.33,62.45 53.74,62.45 53.74,56.79 54.11,56.79 54.16,56.74 54.21,56.79 55.72,56.79 55.72,55.55 55.96,55.31 63.28,55.31 63.54,55.57 63.52,55.59 63.52,57.58
1V5 on Top Layer "1V5_L01_P022" (solid, pour order 22): 42.9,50.01 42.9,51.3 42.07,52.13 42.07,53.085 41.88,53.275 39.524,53.275 39.36,53.129 39.36,51.35 39.51,51.2 42.3,51.2 42.59,50.91 42.59,50
1V2 on Top Layer "1V2_L01_P023" (solid, pour order 23): 44.12,50.01 44.15,50.04 44.15,51.645 44.345,51.84 45.38,51.84 45.61,52.075 45.61,53.235 45.95,53.575 47.511,53.575 47.59,53.496 47.59,51.333 47.452,51.2 44.765,51.2 44.42,50.855 44.42,50.01
GND on Top Layer "GND_L01_P019" (solid, pour order 19): 45.05,48.05 52.27,48.05 52.27,49.74 52.11,49.9 47.84,49.9 46.3,48.36 45.061,48.36 45.05,48.349
3V3 on Top Layer "3V3_L01_P021" (solid, pour order 21): 51.4,43.03 51.44,43.07 51.44,47.899 53.21,47.898 53.17,52.23 55.33,52.23 55.33,43
no net on Top Layer "NONET_L01_P020" (solid, pour order 20): 51.07,47.92
1V8 on Top Layer "1V8_L01_P018" (solid, pour order 18): 36.77,48.553 36.77,42.51 34.43,42.51 34.43,48.523
GND on Top Layer "GND_L01_P017" (solid, pour order 17): 41.99,48.03 36.953,48.03 36.953,48.86 34.38,48.86 34.38,50.855 38.025,50.855 40.531,48.349 41.99,48.349 41.99,48.3
5V_IN on Top Layer "5V_IN_L01_P014" (solid, pour order 14): 41.93,47.38 41.93,46.963 42.445,46.963 42.445,46.088 41.93,46.088 41.93,44.09 41.98,44.04 45.03,44.04 45.03,45.97 44.593,45.97 44.593,46.963 45.03,46.963 45.03,47.345 45.044,47.359 46.33,47.359 47.945,45.784 47.945,41.135 46.76,39.95 44.21,39.95 44.21,41.856 43.29,42.64 39.68,42.64 39.68,46.401 40.725,47.38 41.01,47.38
NetL2_1 on Top Layer "NETL2_1_L01_P016" (solid, pour order 16): 45.05,47.523 46.337,47.523 48.65,45.29 48.65,43 50.86,43 50.86,47.57 50.58,47.85 46.51,47.85 45.05,47.85
NetL1_1 on Top Layer "NETL1_1_L01_P015" (solid, pour order 15): 41.98,47.865 41.98,47.523 40.393,47.523 39.32,46.45 39.32,43.225 36.905,43.225 36.905,47.865
GND on Bottom Layer "GND_L04_P012" (solid, pour order 12): 30.031,53.888 30.031,27.472 32.019,25.732 55.191,25.732 55.191,37.25 54.181,38.556 54.181,47.651 51.838,50.403 51.831,53.107 47.577,53.107 46.796,53.888
GND on GND "GND_L02_P030" (solid, pour order 30): 29.48,28.08 ccw(c32.007,28.055) 32.033,25.528 32.05,25.52 114.02,25.52 ccw(c113.97,28.13) 116.58,28.18 116.58,28.127 116.58,86.207 116.583,86.165 ccw(c114.33,86.187) 114.307,88.44 114.33,88.44 32.692,88.46 32.712,88.457 ccw(c32.681,85.256) 29.48,85.224 29.48,85.256

## Other copper
Top Layer:
  text "86.86 (mm)" at 66.123,22.618 h1.52 r0.09

## Silkscreen, mask and mechanical layers (free items; w line width, h text height)
Top Overlay:
  text "TDO" at 61.856,30.914 h1 r90
  text "TDI" at 64.566,30.864 h1 r90
  text "GND" at 56.966,30.834 h1 r90
  text "TCK" at 59.416,30.774 h1 r90
  text "TMS" at 67.026,30.764 h1 r90
  text "3V3" at 54.606,30.624 h1 r90
Mechanical 8:
  lines w0.254: 29.48,85.224 cw(c32.681,85.256) 32.712,88.457 ; 29.48,85.256 29.48,28.08 ccw(c32.007,28.055) 32.033,25.528 ; 32.05,25.52 114.02,25.52 ccw(c113.97,28.13) 116.58,28.18 ; 32.692,88.46 114.33,88.44 ; 114.307,88.44 cw(c114.33,86.187) 116.583,86.165 ; 116.58,28.127 116.58,86.207

## Dimensions
32.692,88.46 to 32.05,25.52 on Top Layer

## Text inside footprints (layer, text, board x,y; h text height)
P2: Top Overlay "39" at 111.932,80.379 h1.27 r90; Top Overlay "40" at 109.392,80.379 h1.27 r90; Top Overlay "2" at 109.392,27.547 h1.27 r90; Top Overlay "1" at 111.932,27.547 h1.27 r90
U15: Mechanical 13 "PCB EDGE" at 29.55,30.425 h0.41 r270